# KiCad board pcb.kicad_pcb (continued)
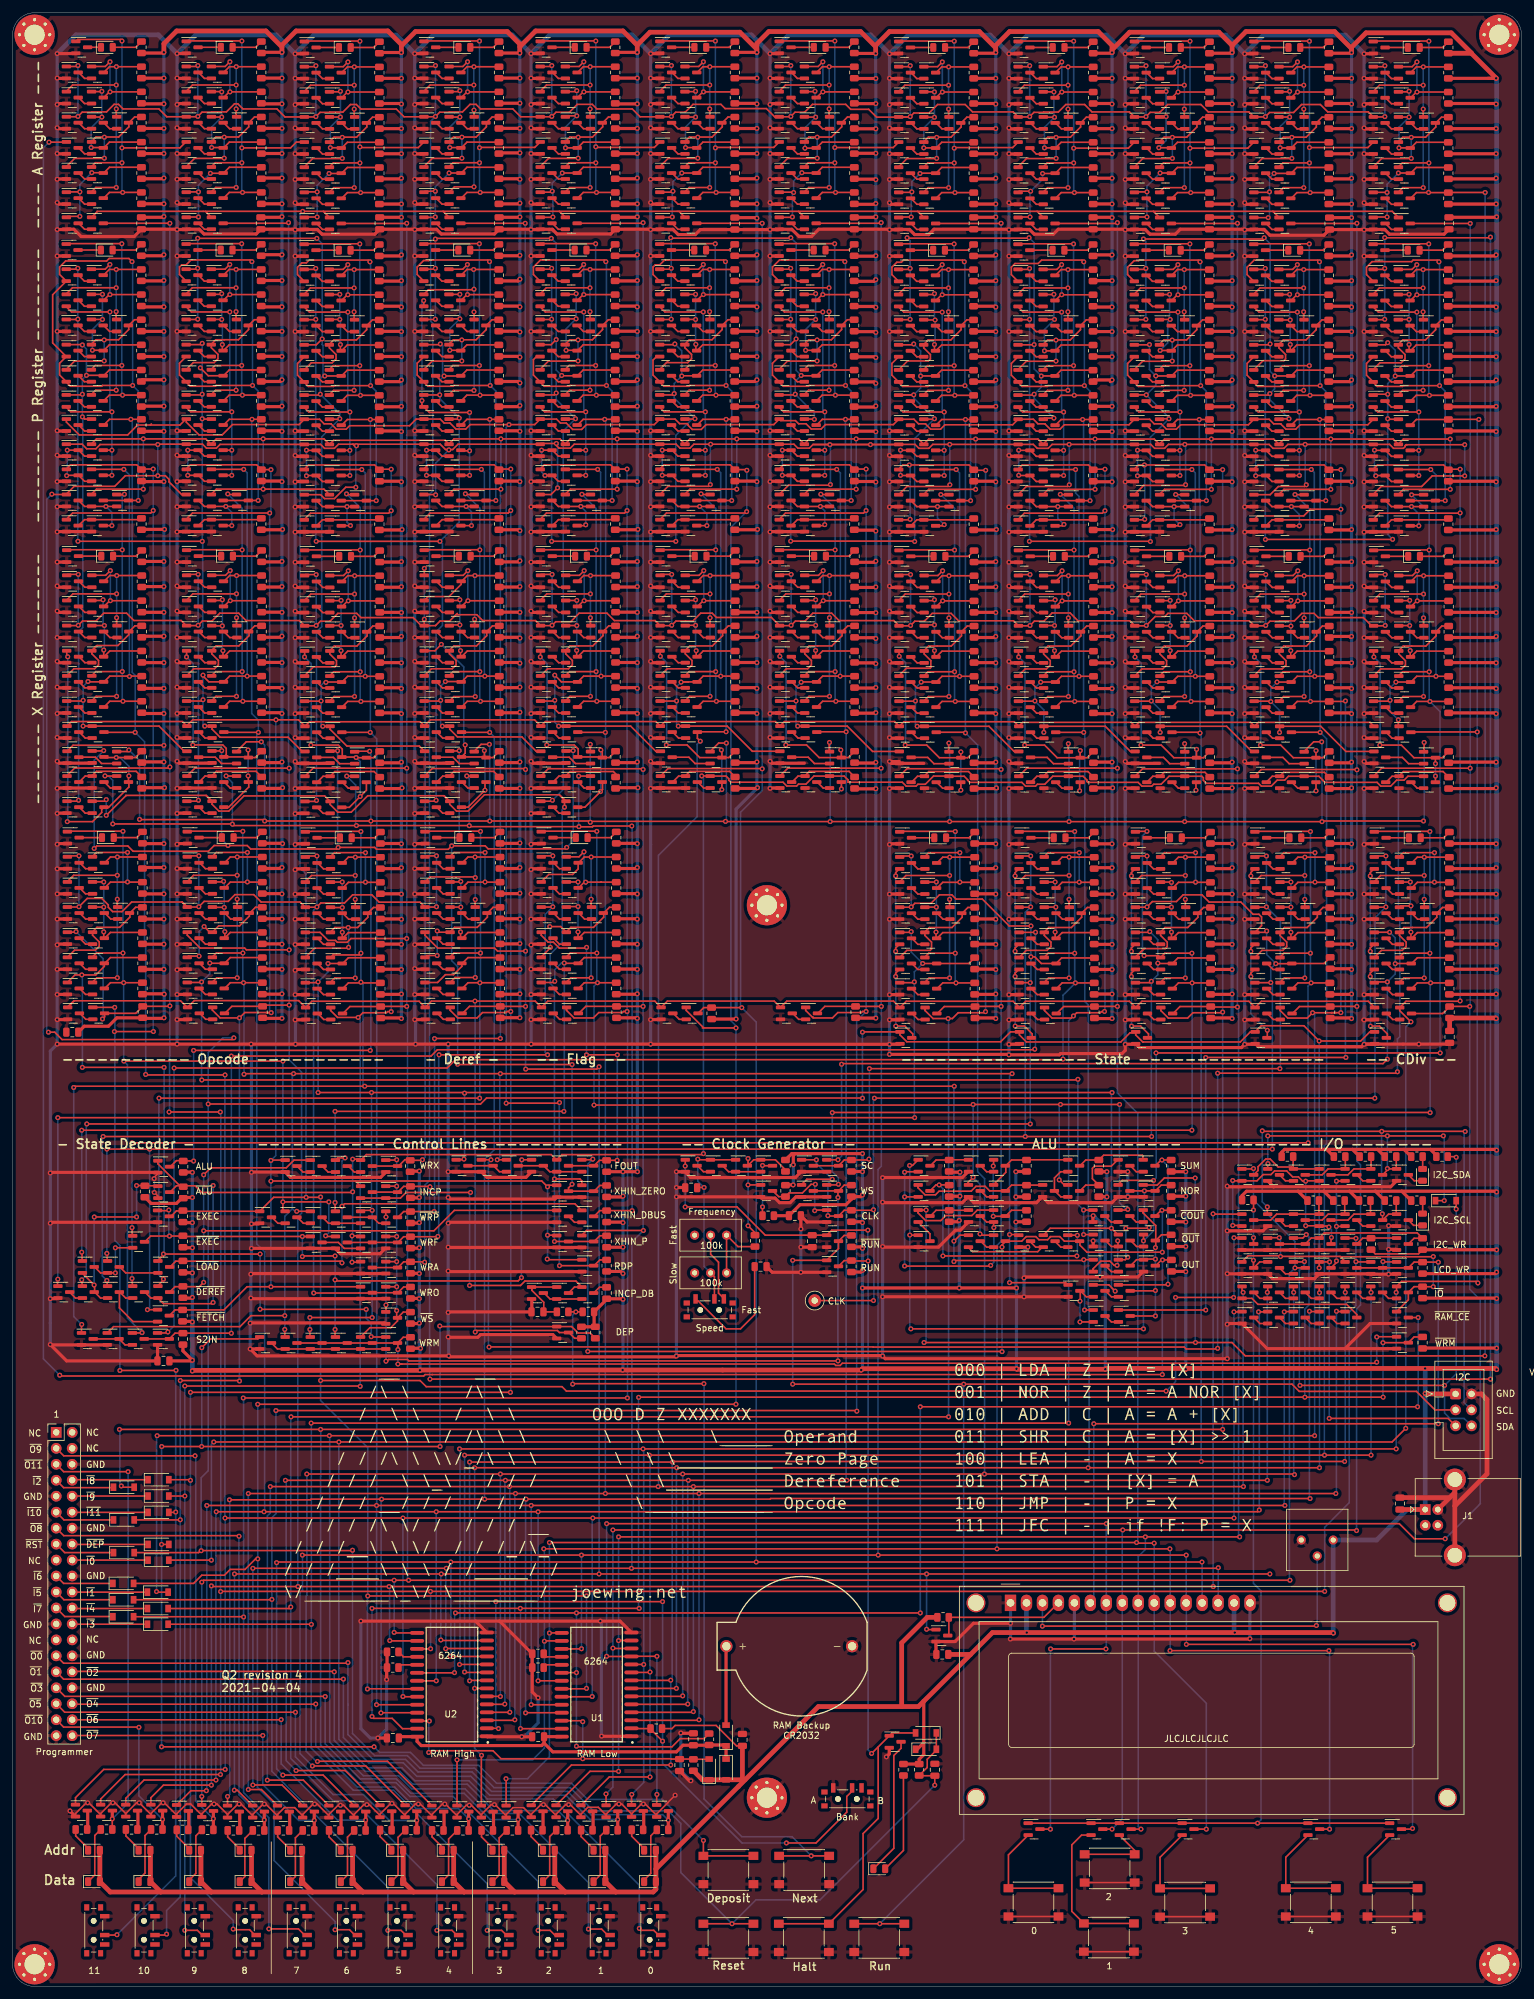
[diagram p0: board, top side]
## Nets (continued)
/Bit 10/AOUT: Q170.3 Q174.1 Q175.1 Q356.1 R69.2
/Bit 10/INCP_CLK: Q162.1 Q165.1 Q316.1 Q329.1 Q332.3 Q340.1 Q364.1 R143.2
/Bit 10/P Register/P DFF/CLR: Q147.3 Q148.3 Q161.2 Q162.2 Q167.2
/Bit 10/P Register/P DFF/Q: Q154.3 Q158.1 Q159.1 R62.2
/Bit 10/P Register/P DFF/SET: Q145.3 Q146.3 Q156.2 Q157.2
/Bit 10/X Register/X DFF/D: Q184.3 Q186.3 Q187.3 Q188.3 Q207.1 R76.2
/Bit 10/XOUT: Q148.1 Q194.3 Q198.1 Q199.1 R78.2
/Bit 10/~{P}: Q22.1 Q25.1 Q143.1 Q156.1 Q159.3 Q167.1 Q191.1 R65.2
/Bit 10/~{XIN}: Q6.1 Q45.1 Q56.1 Q59.3 Q192.1 R24.2
/Bit 10/~{XOUT}: Q146.1 Q185.1 Q196.1 Q199.3 Q365.1 R81.2
/Bit 11/A Register/A DFF/~{Q}: Q29.1 Q32.1 Q35.3 R15.2
/Bit 11/P Register/P DFF/CLR: Q7.3 Q8.3 Q21.2 Q22.2 Q27.2
/Bit 11/P Register/P DFF/Q: Q14.3 Q18.1 Q19.1 R5.2
/Bit 11/P Register/P DFF/SET: Q5.3 Q6.3 Q16.2 Q17.2
/Bit 11/X Register/X DFF/D: Q44.3 Q46.3 Q47.3 Q48.3 Q67.1 R19.2
/Bit 11/XOUT: Q8.1 Q54.3 Q58.1 Q59.1 R21.2
/Bit 11/~{P}: Q3.1 Q16.1 Q19.3 Q27.1 Q51.1 R8.2
/Decoder/~{STATE_DEREF}: Q82.3 Q1093.1 Q1094.1 R36.2
/Decoder/~{STATE_EXEC}: Q87.3 Q113.1 Q122.1 Q129.1 Q139.1 R37.2
/Decoder/~{STATE_LOAD}: Q83.3 Q97.1 Q121.1 R366.2
/I2C/I2C_RST: Q1097.3 Q1101.2 Q1109.2
/Logic/~{WS}: Q105.1 Q107.1 Q109.1 Q110.3 Q112.1 Q119.1 Q140.1 R50.2
/Memory/BANK: R297.2 SW2.2 U1.2 U2.2
/Memory/~{IO}: Q672.1 Q673.1 Q674.3 Q679.1 Q1111.1 R285.2
/Memory/~{RAM_CE}: Q679.3 R291.2 U1.20 U2.20
/Memory/~{WRM}: Q670.1 Q678.3 Q853.1 R290.2 U1.27 U2.27
A0: Q474.1 Q476.1 Q508.1 Q916.3 Q920.1 Q921.1 R407.2
ABUS0: Q674.1 Q882.1 Q889.3 Q931.3 R396.2 U1.10 U2.10
ABUS1: Q675.1 Q772.3 Q814.3 Q878.1 R332.2 U1.9 U2.9
ABUS2: Q594.3 Q636.3 Q676.1 Q874.1 R251.2 U1.8 U2.8
ABUS3: Q398.3 Q440.3 Q677.1 Q870.1 R170.2 U1.7 U2.7
ABUS4: Q225.3 Q267.3 Q680.1 Q866.1 R92.2 U1.6 U2.6
ABUS5: Q681.1 Q862.1 Q1048.3 Q1082.3 R423.2 U1.5 U2.5
ABUS6: Q682.1 Q884.1 Q984.3 Q1006.3 R432.2 U1.4 U2.4
ABUS7: Q683.1 Q690.3 Q732.3 Q880.1 R298.2 U1.3 U2.3
ABUS8: Q512.3 Q554.3 Q684.1 Q876.1 R217.2 U1.25 U2.25
ABUS9: Q316.3 Q358.3 Q685.1 Q872.1 R136.2 U1.24 U2.24
ABUS10: Q143.3 Q185.3 Q686.1 Q868.1 R58.2 U1.21 U2.21
ABUS11: Q3.3 Q45.3 Q687.1 Q864.1 R1.2 U1.23 U2.23
ALU_OUT: Q43.1 Q487.3 R213.2
CDIV: Q309.1 Q953.3 Q957.1 Q958.1 R425.2
CLK: Q301.1 Q306.3 Q308.1 Q961.1 Q964.1 R130.2 TP1.1
DBUS0: DS1.7 Q861.3 Q883.1 Q886.3 Q914.3 Q933.1 R397.2 U1.11
DBUS1: DS1.8 Q769.3 Q797.3 Q816.1 Q860.3 Q879.1 R333.2 U1.12
DBUS2: DS1.9 Q591.3 Q619.3 Q638.1 Q859.3 Q875.1 R252.2 U1.13
DBUS3: DS1.10 Q395.3 Q423.3 Q442.1 Q858.3 Q871.1 R171.2 U1.15
DBUS4: DS1.11 Q222.3 Q250.3 Q269.1 Q857.3 Q867.1 R93.2 U1.16
DBUS5: DS1.12 Q856.3 Q863.1 Q951.3 Q1031.3 Q1050.1 R424.2 U1.17
DBUS6: DS1.13 Q885.1 Q967.3 Q986.1 Q1004.3 R433.2 U2.11
DBUS7: DS1.14 Q103.1 Q688.3 Q715.3 Q740.1 Q881.1 R299.2 U2.12
DBUS8: Q510.3 Q537.3 Q562.1 Q590.1 Q849.1 Q877.1 R218.2 U2.13
DBUS9: Q314.3 Q341.3 Q366.1 Q394.1 Q855.1 Q873.1 Q1100.3 R137.2 U2.15
DBUS10: Q141.3 Q168.3 Q193.1 Q221.1 Q869.1 Q1104.1 R59.2 U2.16
DBUS11: Q1.3 Q28.3 Q53.1 Q81.1 Q850.1 Q851.1 Q865.1 R2.2 U2.17
DEP: Q2.1 Q142.1 Q223.1 Q315.1 Q396.1 Q511.1 Q592.1 Q689.1 Q770.1 Q848.3 Q887.1 Q952.1 Q968.1 R370.2
DEREF: Q82.1 Q577.3 Q581.1 Q582.1 R244.2
F: Q485.1 Q488.1 Q491.1 Q492.1 Q755.3 Q759.1 Q760.1 R325.2
I2C_SCL: J3.4 Q1105.1 Q1107.3 Q1110.1 R494.2
I2C_SDA: D93.2 J3.6 Q1100.1 R286.2
I2C_WR: Q673.3 Q852.3 Q853.3 Q1108.1 R485.2
INCP_CLK: Q108.3 Q109.3 Q908.1 Q911.1 R48.2
IO_RD: Q671.3 Q672.3 Q856.1 Q857.1 Q858.1 Q859.1 Q860.1 Q861.1 Q1102.1 R288.2
LCD_WR: DS1.6 Q670.3 Q851.3 Q1111.3 R287.2
NEXTF: Q123.3 Q124.3 Q768.1 R56.2
O0: Q95.1 Q381.3 Q385.1 Q386.1 Q494.1 Q502.1 Q504.1 R163.2
O1: Q96.1 Q128.1 Q130.1 Q137.1 Q208.3 Q212.1 Q213.1 Q505.1 Q507.1 R85.2
O2: Q68.3 Q72.1 Q73.1 Q93.1 Q114.1 Q131.1 R28.2
RDA_DBUS: Q28.1 Q122.3 Q135.1 Q168.1 Q250.1 Q341.1 Q423.1 Q537.1 Q619.1 Q671.1 Q715.1 Q797.1 Q914.1 Q1004.1 Q1031.1 R54.2 U1.22 U2.22
RDP_ABUS: Q4.1 Q101.3 Q144.1 Q226.1 Q317.1 Q399.1 Q513.1 Q595.1 Q691.1 Q773.1 Q890.1 Q1007.1 Q1083.1 R44.2
RDX_ABUS: Q50.1 Q84.3 Q99.1 Q101.1 Q102.1 Q104.1 Q108.1 Q127.1 Q190.1 Q271.1 Q363.1 Q444.1 Q559.1 Q640.1 Q737.1 Q818.1 Q935.1 Q988.1 Q1052.1 R35.2
S0: Q85.1 Q87.1 Q834.3 Q838.1 Q839.1 R359.2
S1: Q88.1 Q656.3 Q660.1 Q661.1 R278.2
S2: Q94.1 Q460.3 Q464.1 Q465.1 R197.2
S2IN: Q93.3 Q94.3 Q473.1 R40.2
SC: Q301.3 Q302.3 Q842.1 Q845.1 R126.2
WRA: Q38.1 Q41.1 Q111.3 Q112.3 Q178.1 Q181.1 Q260.1 Q263.1 Q351.1 Q354.1 Q433.1 Q436.1 Q547.1 Q550.1 Q629.1 Q632.1 Q725.1 Q728.1 Q807.1 Q810.1 Q924.1 Q927.1 Q977.1 Q980.1 Q1041.1 Q1044.1 R49.2
WRF: Q106.3 Q107.3 Q114.3 Q763.1 Q766.1 R47.2
WRM: Q136.3 Q137.3 Q138.3 Q139.3 Q140.3 Q678.1 R57.2
WRO: Q76.1 Q79.1 Q104.3 Q105.3 Q216.1 Q219.1 Q389.1 Q392.1 Q585.1 Q588.1 R45.2
WRX: Q62.1 Q65.1 Q118.3 Q119.3 Q202.1 Q205.1 Q281.1 Q284.1 Q375.1 Q378.1 Q454.1 Q457.1 Q571.1 Q574.1 Q650.1 Q653.1 Q749.1 Q752.1 Q828.1 Q831.1 Q945.1 Q948.1 Q998.1 Q1001.1 Q1062.1 Q1065.1 R53.2
WS: Q110.1 Q120.1 Q308.3 Q309.3 R131.2
X0: Q478.1 Q480.1 Q495.1 Q509.1 Q894.1 Q937.3 Q941.1 Q942.1 R416.2
X1: Q498.1 Q777.1 Q820.3 Q824.1 Q825.1 R352.2
XHIN_DBUS: Q44.1 Q97.3 Q184.1 Q357.1 Q553.1 Q731.1 R43.2
XHIN_P: Q46.1 Q100.1 Q102.3 Q103.3 Q186.1 Q359.1 Q555.1 Q733.1 R42.2
XHIN_ZERO: Q48.1 Q99.3 Q100.3 Q188.1 Q361.1 Q557.1 Q735.1 R41.2
XIN_SHIFT: Q47.1 Q98.3 Q187.1 Q268.1 Q360.1 Q441.1 Q556.1 Q637.1 Q734.1 Q815.1 Q932.1 Q985.1 Q1049.1 R46.2
XLIN_DBUS: Q90.3 Q98.1 Q106.1 Q111.1 Q118.1 Q124.1 Q266.1 Q439.1 Q635.1 Q813.1 Q930.1 Q983.1 Q1047.1 R38.2
~{ALU_COUT}: Q123.1 Q489.3 Q490.3 Q491.3 R212.2
~{CDIV}: Q302.1 Q955.1 Q958.3 Q966.1 R428.2
~{DEP_SW}: D78.2 Q132.1 Q848.1 R368.2 SW5.1
~{DOUT0}: J2.29 Q883.3 R393.2
~{DOUT1}: J2.31 Q879.3 R389.2
~{DOUT2}: J2.32 Q875.3 R385.2
~{DOUT3}: J2.33 Q871.3 R381.2
~{DOUT4}: J2.36 Q867.3 R377.2
~{DOUT5}: J2.35 Q863.3 R373.2
~{DOUT6}: J2.38 Q885.3 R395.2
~{DOUT7}: J2.40 Q881.3 R391.2
~{DOUT8}: J2.13 Q877.3 R387.2
~{DOUT9}: J2.3 Q873.3 R383.2
~{DOUT10}: J2.37 Q869.3 R379.2
~{DOUT11}: J2.5 Q865.3 R375.2
~{F}: Q126.1 Q757.1 Q760.3 R328.2
~{INCP_SW}: R51.2 R369.2 SW7.1
~{O0}: Q125.1 Q133.1 Q138.1 Q383.1 Q386.3 Q493.1 Q501.1 Q503.1 R166.2
~{O1}: Q210.1 Q213.3 Q500.1 Q506.1 R88.2
~{O2}: Q70.1 Q73.3 Q83.1 Q136.1 R31.2
~{RST}: C25.2 D41.1 D42.2 D77.2 J3.5 Q9.1 Q11.1 Q149.1 Q151.1 Q224.1 Q231.1 Q233.1 Q322.1 Q324.1 Q397.1 Q404.1 Q406.1 Q518.1 Q520.1 Q593.1 Q600.1 Q602.1 Q696.1 Q698.1 Q771.1 Q778.1 Q780.1 Q888.1 Q895.1 Q897.1 Q1012.1 Q1014.1 Q1088.1 Q1090.1 Q1097.1 R367.2 SW4.1
~{S0}: Q84.1 Q86.1 Q664.1 Q667.1 Q836.1 Q839.3 Q847.1 R362.2
~{S1}: Q89.1 Q468.1 Q471.1 Q658.1 Q661.3 Q669.1 R281.2
~{S2}: Q91.1 Q295.1 Q298.1 Q462.1 Q465.3 R200.2
~{S3}: Q92.1 Q289.1 Q292.3 Q300.1 R122.2
~{START_SW}: J3.3 Q311.3 Q312.1 R133.2 SW6.1
~{STOP_SW}: C24.2 D41.2 Q310.1 Q311.1 Q312.3 Q313.1 R134.2 SW3.1
~{SW0}: D79.2 Q886.1 Q896.1 Q899.1 R398.2 SW30.2
~{SW1}: D80.2 Q769.1 Q779.1 Q782.1 R334.2 SW28.2
~{SW2}: D73.2 Q591.1 Q601.1 Q604.1 R253.2 SW26.2
~{SW3}: D74.2 Q395.1 Q405.1 Q408.1 R172.2 SW24.2
~{SW4}: D75.2 Q222.1 Q232.1 Q235.1 R94.2 SW22.2
~{SW5}: D76.2 Q951.1 Q1089.1 Q1092.1 R482.2 SW20.2
~{SW6}: D82.2 Q967.1 Q1013.1 Q1016.1 R450.2 SW31.2
~{SW7}: D81.2 Q688.1 Q697.1 Q700.1 R300.2 SW29.2
~{SW8}: D72.2 Q510.1 Q519.1 Q522.1 R219.2 SW27.2
~{SW9}: D71.2 Q314.1 Q323.1 Q326.1 R138.2 SW25.2
~{SW10}: D70.2 Q141.1 Q150.1 Q153.1 R60.2 SW23.2
~{SW11}: D69.2 Q1.1 Q10.1 Q13.1 R3.2 SW21.2
~{WRP}: Q5.1 Q7.1 Q120.3 Q145.1 Q147.1 Q227.1 Q229.1 Q318.1 Q320.1 Q400.1 Q402.1 Q514.1 Q516.1 Q596.1 Q598.1 Q692.1 Q694.1 Q774.1 Q776.1 Q891.1 Q893.1 Q1008.1 Q1010.1 Q1084.1 Q1086.1 R55.2
~{X0}: Q134.1 Q892.1 Q931.1 Q939.1 Q942.3 R419.2
Net-(BT1-Pad1): BT1.1 D30.2
Net-(C8-Pad2): C8.2 Q115.1 Q117.1 R51.1
Net-(C12-Pad2): C12.2 SW1.1
Net-(C13-Pad2): C13.2 Q303.1 Q307.1 RV1.2 SW1.2
Net-(C18-Pad2): C18.2 C19.2 C20.1 D30.1 D31.1 R291.1 U1.28 U2.28
Net-(C21-Pad2): C21.2 D32.2 R296.2 U1.26 U2.26
Net-(D1-Pad1): D1.1 Q18.3
Net-(D1-Pad2): D1.2 R7.2
Net-(D2-Pad1): D2.1 Q34.3
Net-(D2-Pad2): D2.2 R14.2
Net-(D3-Pad1): D3.1 Q58.3
Net-(D3-Pad2): D3.2 R23.2
Net-(D4-Pad1): D4.1 Q72.3
Net-(D4-Pad2): D4.2 R30.2
Net-(D5-Pad1): D5.1 Q158.3
Net-(D5-Pad2): D5.2 R64.2
Net-(D6-Pad1): D6.1 Q174.3
Net-(D6-Pad2): D6.2 R71.2
Net-(D7-Pad1): D7.1 Q198.3
Net-(D7-Pad2): D7.2 R80.2
Net-(D8-Pad1): D8.1 Q212.3
Net-(D8-Pad2): D8.2 R87.2
Net-(D9-Pad1): D9.1 Q240.3
Net-(D9-Pad2): D9.2 R98.2
Net-(D10-Pad1): D10.1 Q256.3
Net-(D10-Pad2): D10.2 R105.2
Net-(D11-Pad1): D11.1 Q277.3
Net-(D11-Pad2): D11.2 R114.2
Net-(D12-Pad1): D12.1 Q291.3
Net-(D12-Pad2): D12.2 R121.2
Net-(D13-Pad1): D13.1 Q313.3
Net-(D13-Pad2): D13.2 R135.2
Net-(D14-Pad1): D14.1 Q331.3
Net-(D14-Pad2): D14.2 R142.2
Net-(D15-Pad1): D15.1 Q347.3
Net-(D15-Pad2): D15.2 R149.2
Net-(D16-Pad1): D16.1 Q371.3
Net-(D16-Pad2): D16.2 R158.2
Net-(D17-Pad1): D17.1 Q385.3
Net-(D17-Pad2): D17.2 R165.2
Net-(D18-Pad1): D18.1 Q413.3
Net-(D18-Pad2): D18.2 R176.2
Net-(D19-Pad1): D19.1 Q429.3
Net-(D19-Pad2): D19.2 R183.2
Net-(D20-Pad1): D20.1 Q450.3
Net-(D20-Pad2): D20.2 R192.2
Net-(D21-Pad1): D21.1 Q464.3
Net-(D21-Pad2): D21.2 R199.2
Net-(D22-Pad1): D22.1 Q527.3
Net-(D22-Pad2): D22.2 R223.2
Net-(D23-Pad1): D23.1 Q543.3
Net-(D23-Pad2): D23.2 R230.2
Net-(D24-Pad1): D24.1 Q567.3
Net-(D24-Pad2): D24.2 R239.2
Net-(D25-Pad1): D25.1 Q581.3
Net-(D25-Pad2): D25.2 R246.2
Net-(D26-Pad1): D26.1 Q609.3
Net-(D26-Pad2): D26.2 R257.2
Net-(D27-Pad1): D27.1 Q625.3
Net-(D27-Pad2): D27.2 R264.2
Net-(D28-Pad1): D28.1 Q646.3
Net-(D28-Pad2): D28.2 R273.2
Net-(D29-Pad1): D29.1 Q660.3
Net-(D29-Pad2): D29.2 R280.2
Net-(D33-Pad1): D33.1 Q705.3
Net-(D33-Pad2): D33.2 R304.2
Net-(D34-Pad1): D34.1 Q721.3
Net-(D34-Pad2): D34.2 R311.2
Net-(D35-Pad1): D35.1 Q745.3
Net-(D35-Pad2): D35.2 R320.2
Net-(D36-Pad1): D36.1 Q759.3
Net-(D36-Pad2): D36.2 R327.2
Net-(D37-Pad1): D37.1 Q787.3
Net-(D37-Pad2): D37.2 R338.2
Net-(D38-Pad1): D38.1 Q803.3
Net-(D38-Pad2): D38.2 R345.2
Net-(D39-Pad1): D39.1 Q824.3
Net-(D39-Pad2): D39.2 R354.2
Net-(D40-Pad1): D40.1 Q838.3
Net-(D40-Pad2): D40.2 R361.2
Net-(D43-Pad1): D43.1 R372.1
Net-(D44-Pad1): D44.1 R373.1
Net-(D45-Pad1): D45.1 R374.1
Net-(D46-Pad1): D46.1 R375.1
Net-(D47-Pad1): D47.1 R376.1
Net-(D48-Pad1): D48.1 R377.1
Net-(D49-Pad1): D49.1 R378.1
Net-(D50-Pad1): D50.1 R379.1
Net-(D51-Pad1): D51.1 R380.1
Net-(D52-Pad1): D52.1 R381.1
Net-(D53-Pad1): D53.1 R382.1
Net-(D54-Pad1): D54.1 R383.1
Net-(D55-Pad1): D55.1 R384.1
Net-(D56-Pad1): D56.1 R385.1
Net-(D57-Pad1): D57.1 R386.1
Net-(D58-Pad1): D58.1 R387.1
Net-(D59-Pad1): D59.1 R388.1
Net-(D60-Pad1): D60.1 R389.1
Net-(D61-Pad1): D61.1 R390.1
Net-(D62-Pad1): D62.1 R391.1
Net-(D63-Pad1): D63.1 R392.1
Net-(D64-Pad1): D64.1 R393.1
Net-(D65-Pad1): D65.1 R394.1
Net-(D66-Pad1): D66.1 R395.1
Net-(D67-Pad1): D67.1 Q904.3
Net-(D67-Pad2): D67.2 R402.2
Net-(D68-Pad1): D68.1 Q920.3
Net-(D68-Pad2): D68.2 R409.2
Net-(D69-Pad1): D69.1 J2.12
Net-(D70-Pad1): D70.1 J2.11
Net-(D71-Pad1): D71.1 J2.10
Net-(D72-Pad1): D72.1 J2.8
Net-(D73-Pad1): D73.1 J2.7
Net-(D74-Pad1): D74.1 J2.26
Net-(D75-Pad1): D75.1 J2.24
Net-(D76-Pad1): D76.1 J2.21
Net-(D77-Pad1): D77.1 J2.15
Net-(D78-Pad1): D78.1 J2.16
Net-(D79-Pad1): D79.1 J2.18
Net-(D80-Pad1): D80.1 J2.22
Net-(D81-Pad1): D81.1 J2.23
Net-(D82-Pad1): D82.1 J2.19
Net-(D83-Pad1): D83.1 Q941.3
Net-(D83-Pad2): D83.2 R418.2
Net-(D84-Pad1): D84.1 Q957.3
Net-(D84-Pad2): D84.2 R427.2
Net-(D85-Pad1): D85.1 Q973.3
Net-(D85-Pad2): D85.2 R436.2
Net-(D86-Pad1): D86.1 Q994.3
Net-(D86-Pad2): D86.2 R445.2
Net-(D87-Pad1): D87.1 Q1021.3
Net-(D87-Pad2): D87.2 R454.2
Net-(D88-Pad1): D88.1 Q1037.3
Net-(D88-Pad2): D88.2 R461.2
Net-(D89-Pad1): D89.1 Q1058.3
Net-(D89-Pad2): D89.2 R470.2
Net-(D90-Pad1): D90.1 Q1072.3
Net-(D90-Pad2): D90.2 R477.2
Net-(D91-Pad1): D91.1 Q1096.3
Net-(D91-Pad2): D91.2 R488.2
Net-(D92-Pad1): D92.1 Q1110.3
Net-(D92-Pad2): D92.2 R495.2
Net-(D93-Pad1): D93.1 Q1095.1 Q1096.1 Q1099.3 R490.2
Net-(DS1-Pad3): DS1.3 RV3.2
Net-(DS1-Pad4): DS1.4 Q849.3 R371.2
Net-(Q1-Pad2): Q1.2 Q2.3
Net-(Q3-Pad2): Q3.2 Q4.3
Net-(Q10-Pad3): Q5.2 Q6.2 Q9.3 Q10.3
Net-(Q11-Pad3): Q7.2 Q8.2 Q11.3 Q12.3
Net-(Q12-Pad1): Q12.1 Q13.3 R4.2
Net-(Q14-Pad1): Q14.1 Q17.1 Q20.3 Q23.1 R9.2
Net-(Q14-Pad2): Q14.2 Q16.3
Net-(Q15-Pad1): Q15.1 Q24.1 Q26.3 R11.2
Net-(Q15-Pad2): Q15.2 Q17.3
Net-(Q15-Pad3): Q15.3 Q20.1 R6.2
Net-(Q19-Pad2): Q19.2 Q21.3
Net-(Q20-Pad2): Q20.2 Q22.3
Net-(Q21-Pad1): Q21.1 Q23.3 Q26.1 R10.2
Net-(Q23-Pad2): Q23.2 Q24.3
Net-(Q24-Pad2): Q24.2 Q25.3
Net-(Q26-Pad2): Q26.2 Q27.3
Net-(Q28-Pad2): Q28.2 Q29.3
Net-(Q30-Pad1): Q30.1 Q33.1 Q36.3 Q39.1 R16.2
Net-(Q30-Pad2): Q30.2 Q32.3
Net-(Q31-Pad1): Q31.1 Q40.1 Q42.3 R18.2
Net-(Q31-Pad2): Q31.2 Q33.3
Net-(Q31-Pad3): Q31.3 Q36.1 R13.2
Net-(Q35-Pad2): Q35.2 Q37.3
Net-(Q36-Pad2): Q36.2 Q38.3
Net-(Q37-Pad1): Q37.1 Q39.3 Q42.1 R17.2
Net-(Q39-Pad2): Q39.2 Q40.3
Net-(Q40-Pad2): Q40.2 Q41.3
Net-(Q42-Pad2): Q42.2 Q43.3
Net-(Q44-Pad2): Q44.2 Q49.3
Net-(Q45-Pad2): Q45.2 Q50.3
Net-(Q46-Pad2): Q46.2 Q51.3
Net-(Q47-Pad2): Q47.2 Q52.3
Net-(Q49-Pad1): Q49.1 Q53.3 R20.2
Net-(Q54-Pad1): Q54.1 Q57.1 Q60.3 Q63.1 R25.2
Net-(Q54-Pad2): Q54.2 Q56.3
Net-(Q55-Pad1): Q55.1 Q64.1 Q66.3 R27.2
Net-(Q55-Pad2): Q55.2 Q57.3
Net-(Q55-Pad3): Q55.3 Q60.1 R22.2
Net-(Q59-Pad2): Q59.2 Q61.3
Net-(Q60-Pad2): Q60.2 Q62.3
Net-(Q61-Pad1): Q61.1 Q63.3 Q66.1 R26.2
Net-(Q63-Pad2): Q63.2 Q64.3
Net-(Q64-Pad2): Q64.2 Q65.3
Net-(Q66-Pad2): Q66.2 Q67.3
Net-(Q68-Pad1): Q68.1 Q71.1 Q74.3 Q77.1 R32.2
Net-(Q68-Pad2): Q68.2 Q70.3
Net-(Q69-Pad1): Q69.1 Q78.1 Q80.3 R34.2
Net-(Q69-Pad2): Q69.2 Q71.3
Net-(Q69-Pad3): Q69.3 Q74.1 R29.2
Net-(Q73-Pad2): Q73.2 Q75.3
Net-(Q74-Pad2): Q74.2 Q76.3
Net-(Q75-Pad1): Q75.1 Q77.3 Q80.1 R33.2
Net-(Q77-Pad2): Q77.2 Q78.3
Net-(Q78-Pad2): Q78.2 Q79.3
Net-(Q80-Pad2): Q80.2 Q81.3
Net-(Q82-Pad2): Q82.2 Q85.3
Net-(Q83-Pad2): Q83.2 Q86.3
Net-(Q84-Pad2): Q84.2 Q85.2 Q89.3
Net-(Q86-Pad2): Q86.2 Q87.2 Q88.3
Net-(Q88-Pad2): Q88.2 Q89.2 Q90.1 Q91.3 R39.2
Net-(Q91-Pad2): Q91.2 Q92.3
Net-(Q93-Pad2): Q93.2 Q95.3 Q96.3
Net-(Q106-Pad2): Q106.2 Q113.3
Net-(Q108-Pad2): Q108.2 Q109.2 Q115.3 Q116.1
Net-(Q115-Pad2): Q115.2 Q116.2 Q117.3
Net-(Q116-Pad3): Q116.3 R52.1
Net-(Q118-Pad2): Q118.2 Q121.3
Net-(Q120-Pad2): Q120.2 Q125.3 Q126.3
Net-(Q123-Pad2): Q123.2 Q124.2 Q128.3 Q129.3
Net-(Q125-Pad2): Q125.2 Q126.2 Q130.3
Net-(Q128-Pad2): Q128.2 Q133.3 Q134.3
Net-(Q130-Pad2): Q130.2 Q131.3
Net-(Q131-Pad2): Q131.2 Q135.3
Net-(Q132-Pad3): Q132.3 Q136.2 Q137.2 Q138.2 Q139.2 Q140.2
Net-(Q141-Pad2): Q141.2 Q142.3
Net-(Q143-Pad2): Q143.2 Q144.3
Net-(Q145-Pad2): Q145.2 Q146.2 Q149.3 Q150.3
Net-(Q147-Pad2): Q147.2 Q148.2 Q151.3 Q152.3
Net-(Q152-Pad1): Q152.1 Q153.3 R61.2
Net-(Q154-Pad1): Q154.1 Q157.1 Q160.3 Q163.1 R66.2
Net-(Q154-Pad2): Q154.2 Q156.3
Net-(Q155-Pad1): Q155.1 Q164.1 Q166.3 R68.2
Net-(Q155-Pad2): Q155.2 Q157.3
Net-(Q155-Pad3): Q155.3 Q160.1 R63.2
Net-(Q159-Pad2): Q159.2 Q161.3
Net-(Q160-Pad2): Q160.2 Q162.3
Net-(Q161-Pad1): Q161.1 Q163.3 Q166.1 R67.2
Net-(Q163-Pad2): Q163.2 Q164.3
Net-(Q164-Pad2): Q164.2 Q165.3
Net-(Q166-Pad2): Q166.2 Q167.3
Net-(Q168-Pad2): Q168.2 Q169.3
Net-(Q170-Pad1): Q170.1 Q173.1 Q176.3 Q179.1 R73.2
Net-(Q170-Pad2): Q170.2 Q172.3
Net-(Q171-Pad1): Q171.1 Q180.1 Q182.3 R75.2
Net-(Q171-Pad2): Q171.2 Q173.3
Net-(Q171-Pad3): Q171.3 Q176.1 R70.2
Net-(Q175-Pad2): Q175.2 Q177.3
Net-(Q176-Pad2): Q176.2 Q178.3
Net-(Q177-Pad1): Q177.1 Q179.3 Q182.1 R74.2
Net-(Q179-Pad2): Q179.2 Q180.3
Net-(Q180-Pad2): Q180.2 Q181.3
Net-(Q182-Pad2): Q182.2 Q183.3
Net-(Q184-Pad2): Q184.2 Q189.3
Net-(Q185-Pad2): Q185.2 Q190.3
Net-(Q186-Pad2): Q186.2 Q191.3
Net-(Q187-Pad2): Q187.2 Q192.3
Net-(Q189-Pad1): Q189.1 Q193.3 R77.2
Net-(Q194-Pad1): Q194.1 Q197.1 Q200.3 Q203.1 R82.2
Net-(Q194-Pad2): Q194.2 Q196.3
Net-(Q195-Pad1): Q195.1 Q204.1 Q206.3 R84.2
Net-(Q195-Pad2): Q195.2 Q197.3
Net-(Q195-Pad3): Q195.3 Q200.1 R79.2
Net-(Q199-Pad2): Q199.2 Q201.3
Net-(Q200-Pad2): Q200.2 Q202.3
Net-(Q201-Pad1): Q201.1 Q203.3 Q206.1 R83.2
Net-(Q203-Pad2): Q203.2 Q204.3
Net-(Q204-Pad2): Q204.2 Q205.3
Net-(Q206-Pad2): Q206.2 Q207.3
Net-(Q208-Pad1): Q208.1 Q211.1 Q214.3 Q217.1 R89.2
Net-(Q208-Pad2): Q208.2 Q210.3
Net-(Q209-Pad1): Q209.1 Q218.1 Q220.3 R91.2
Net-(Q209-Pad2): Q209.2 Q211.3
Net-(Q209-Pad3): Q209.3 Q214.1 R86.2
Net-(Q213-Pad2): Q213.2 Q215.3
Net-(Q214-Pad2): Q214.2 Q216.3
Net-(Q215-Pad1): Q215.1 Q217.3 Q220.1 R90.2
Net-(Q217-Pad2): Q217.2 Q218.3
Net-(Q218-Pad2): Q218.2 Q219.3
Net-(Q220-Pad2): Q220.2 Q221.3
Net-(Q222-Pad2): Q222.2 Q223.3
Net-(Q225-Pad2): Q225.2 Q226.3
Net-(Q227-Pad2): Q227.2 Q228.2 Q231.3 Q232.3
Net-(Q229-Pad2): Q229.2 Q230.2 Q233.3 Q234.3
Net-(Q234-Pad1): Q234.1 Q235.3 R95.2
Net-(Q236-Pad1): Q236.1 Q239.1 Q242.3 Q245.1 R100.2
Net-(Q236-Pad2): Q236.2 Q238.3
Net-(Q237-Pad1): Q237.1 Q246.1 Q248.3 R102.2
Net-(Q237-Pad2): Q237.2 Q239.3
Net-(Q237-Pad3): Q237.3 Q242.1 R97.2
Net-(Q241-Pad2): Q241.2 Q243.3
Net-(Q242-Pad2): Q242.2 Q244.3
Net-(Q243-Pad1): Q243.1 Q245.3 Q248.1 R101.2
Net-(Q245-Pad2): Q245.2 Q246.3
Net-(Q246-Pad2): Q246.2 Q247.3
Net-(Q248-Pad2): Q248.2 Q249.3
Net-(Q250-Pad2): Q250.2 Q251.3
Net-(Q252-Pad1): Q252.1 Q255.1 Q258.3 Q261.1 R107.2
Net-(Q252-Pad2): Q252.2 Q254.3
Net-(Q253-Pad1): Q253.1 Q262.1 Q264.3 R109.2
Net-(Q253-Pad2): Q253.2 Q255.3
Net-(Q253-Pad3): Q253.3 Q258.1 R104.2
Net-(Q257-Pad2): Q257.2 Q259.3
Net-(Q258-Pad2): Q258.2 Q260.3
Net-(Q259-Pad1): Q259.1 Q261.3 Q264.1 R108.2
Net-(Q261-Pad2): Q261.2 Q262.3
Net-(Q262-Pad2): Q262.2 Q263.3
Net-(Q264-Pad2): Q264.2 Q265.3
Net-(Q266-Pad2): Q266.2 Q270.3
Net-(Q267-Pad2): Q267.2 Q271.3
Net-(Q268-Pad2): Q268.2 Q272.3
Net-(Q269-Pad3): Q269.3 Q270.1 R111.2
Net-(Q273-Pad1): Q273.1 Q276.1 Q279.3 Q282.1 R116.2
Net-(Q273-Pad2): Q273.2 Q275.3
Net-(Q274-Pad1): Q274.1 Q283.1 Q285.3 R118.2
Net-(Q274-Pad2): Q274.2 Q276.3
Net-(Q274-Pad3): Q274.3 Q279.1 R113.2
Net-(Q278-Pad2): Q278.2 Q280.3
Net-(Q279-Pad2): Q279.2 Q281.3
Net-(Q280-Pad1): Q280.1 Q282.3 Q285.1 R117.2
Net-(Q282-Pad2): Q282.2 Q283.3
Net-(Q283-Pad2): Q283.2 Q284.3
Net-(Q285-Pad2): Q285.2 Q286.3
Net-(Q287-Pad1): Q287.1 Q290.1 Q293.3 Q296.1 R123.2
Net-(Q287-Pad2): Q287.2 Q289.3
Net-(Q288-Pad1): Q288.1 Q297.1 Q299.3 R125.2
Net-(Q288-Pad2): Q288.2 Q290.3
Net-(Q288-Pad3): Q288.3 Q293.1 R120.2
Net-(Q292-Pad2): Q292.2 Q294.3
Net-(Q293-Pad2): Q293.2 Q295.3
Net-(Q294-Pad1): Q294.1 Q296.3 Q299.1 R124.2
Net-(Q296-Pad2): Q296.2 Q297.3
Net-(Q297-Pad2): Q297.2 Q298.3
Net-(Q299-Pad2): Q299.2 Q300.3
Net-(Q303-Pad2): Q303.2 Q304.2 Q307.3
Net-(Q303-Pad3): Q303.3 Q304.1 Q305.1 R127.2 R128.2
Net-(Q304-Pad3): Q304.3 R132.1
Net-(Q305-Pad3): Q305.3 Q306.1 R129.2
Net-(Q307-Pad2): Q307.2 Q310.3
Net-(Q314-Pad2): Q314.2 Q315.3
Net-(Q316-Pad2): Q316.2 Q317.3
Net-(Q318-Pad2): Q318.2 Q319.2 Q322.3 Q323.3
Net-(Q320-Pad2): Q320.2 Q321.2 Q324.3 Q325.3
Net-(Q325-Pad1): Q325.1 Q326.3 R139.2
Net-(Q327-Pad1): Q327.1 Q330.1 Q333.3 Q336.1 R144.2
Net-(Q327-Pad2): Q327.2 Q329.3
Net-(Q328-Pad1): Q328.1 Q337.1 Q339.3 R146.2
Net-(Q328-Pad2): Q328.2 Q330.3
Net-(Q328-Pad3): Q328.3 Q333.1 R141.2
Net-(Q332-Pad2): Q332.2 Q334.3
Net-(Q333-Pad2): Q333.2 Q335.3
Net-(Q334-Pad1): Q334.1 Q336.3 Q339.1 R145.2
Net-(Q336-Pad2): Q336.2 Q337.3
Net-(Q337-Pad2): Q337.2 Q338.3
Net-(Q339-Pad2): Q339.2 Q340.3
Net-(Q341-Pad2): Q341.2 Q342.3
Net-(Q343-Pad1): Q343.1 Q346.1 Q349.3 Q352.1 R151.2
Net-(Q343-Pad2): Q343.2 Q345.3
Net-(Q344-Pad1): Q344.1 Q353.1 Q355.3 R153.2
Net-(Q344-Pad2): Q344.2 Q346.3
Net-(Q344-Pad3): Q344.3 Q349.1 R148.2
Net-(Q348-Pad2): Q348.2 Q350.3
Net-(Q349-Pad2): Q349.2 Q351.3
Net-(Q350-Pad1): Q350.1 Q352.3 Q355.1 R152.2
Net-(Q352-Pad2): Q352.2 Q353.3
Net-(Q353-Pad2): Q353.2 Q354.3
Net-(Q355-Pad2): Q355.2 Q356.3
Net-(Q357-Pad2): Q357.2 Q362.3
Net-(Q358-Pad2): Q358.2 Q363.3
Net-(Q359-Pad2): Q359.2 Q364.3
Net-(Q360-Pad2): Q360.2 Q365.3
Net-(Q362-Pad1): Q362.1 Q366.3 R155.2
Net-(Q367-Pad1): Q367.1 Q370.1 Q373.3 Q376.1 R160.2
Net-(Q367-Pad2): Q367.2 Q369.3
Net-(Q368-Pad1): Q368.1 Q377.1 Q379.3 R162.2
Net-(Q368-Pad2): Q368.2 Q370.3
Net-(Q368-Pad3): Q368.3 Q373.1 R157.2
Net-(Q372-Pad2): Q372.2 Q374.3
Net-(Q373-Pad2): Q373.2 Q375.3
Net-(Q374-Pad1): Q374.1 Q376.3 Q379.1 R161.2
Net-(Q376-Pad2): Q376.2 Q377.3
Net-(Q377-Pad2): Q377.2 Q378.3
Net-(Q379-Pad2): Q379.2 Q380.3
Net-(Q381-Pad1): Q381.1 Q384.1 Q387.3 Q390.1 R167.2
Net-(Q381-Pad2): Q381.2 Q383.3
Net-(Q382-Pad1): Q382.1 Q391.1 Q393.3 R169.2
Net-(Q382-Pad2): Q382.2 Q384.3
Net-(Q382-Pad3): Q382.3 Q387.1 R164.2
Net-(Q386-Pad2): Q386.2 Q388.3
Net-(Q387-Pad2): Q387.2 Q389.3
Net-(Q388-Pad1): Q388.1 Q390.3 Q393.1 R168.2
Net-(Q390-Pad2): Q390.2 Q391.3
Net-(Q391-Pad2): Q391.2 Q392.3
Net-(Q393-Pad2): Q393.2 Q394.3
Net-(Q395-Pad2): Q395.2 Q396.3
Net-(Q398-Pad2): Q398.2 Q399.3
Net-(Q400-Pad2): Q400.2 Q401.2 Q404.3 Q405.3
Net-(Q402-Pad2): Q402.2 Q403.2 Q406.3 Q407.3
Net-(Q407-Pad1): Q407.1 Q408.3 R173.2
Net-(Q409-Pad1): Q409.1 Q412.1 Q415.3 Q418.1 R178.2
Net-(Q409-Pad2): Q409.2 Q411.3
Net-(Q410-Pad1): Q410.1 Q419.1 Q421.3 R180.2
Net-(Q410-Pad2): Q410.2 Q412.3
Net-(Q410-Pad3): Q410.3 Q415.1 R175.2
Net-(Q414-Pad2): Q414.2 Q416.3
Net-(Q415-Pad2): Q415.2 Q417.3
Net-(Q416-Pad1): Q416.1 Q418.3 Q421.1 R179.2
Net-(Q418-Pad2): Q418.2 Q419.3
Net-(Q419-Pad2): Q419.2 Q420.3
Net-(Q421-Pad2): Q421.2 Q422.3
Net-(Q423-Pad2): Q423.2 Q424.3
Net-(Q425-Pad1): Q425.1 Q428.1 Q431.3 Q434.1 R185.2
Net-(Q425-Pad2): Q425.2 Q427.3
Net-(Q426-Pad1): Q426.1 Q435.1 Q437.3 R187.2
Net-(Q426-Pad2): Q426.2 Q428.3
Net-(Q426-Pad3): Q426.3 Q431.1 R182.2
Net-(Q430-Pad2): Q430.2 Q432.3
Net-(Q431-Pad2): Q431.2 Q433.3
Net-(Q432-Pad1): Q432.1 Q434.3 Q437.1 R186.2
Net-(Q434-Pad2): Q434.2 Q435.3
Net-(Q435-Pad2): Q435.2 Q436.3
Net-(Q437-Pad2): Q437.2 Q438.3
Net-(Q439-Pad2): Q439.2 Q443.3
Net-(Q440-Pad2): Q440.2 Q444.3
Net-(Q441-Pad2): Q441.2 Q445.3
Net-(Q442-Pad3): Q442.3 Q443.1 R189.2
Net-(Q446-Pad1): Q446.1 Q449.1 Q452.3 Q455.1 R194.2
Net-(Q446-Pad2): Q446.2 Q448.3
Net-(Q447-Pad1): Q447.1 Q456.1 Q458.3 R196.2
Net-(Q447-Pad2): Q447.2 Q449.3
Net-(Q447-Pad3): Q447.3 Q452.1 R191.2
Net-(Q451-Pad2): Q451.2 Q453.3
Net-(Q452-Pad2): Q452.2 Q454.3
Net-(Q453-Pad1): Q453.1 Q455.3 Q458.1 R195.2
Net-(Q455-Pad2): Q455.2 Q456.3
Net-(Q456-Pad2): Q456.2 Q457.3
Net-(Q458-Pad2): Q458.2 Q459.3
Net-(Q460-Pad1): Q460.1 Q463.1 Q466.3 Q469.1 R201.2
Net-(Q460-Pad2): Q460.2 Q462.3
Net-(Q461-Pad1): Q461.1 Q470.1 Q472.3 R203.2
Net-(Q461-Pad2): Q461.2 Q463.3
Net-(Q461-Pad3): Q461.3 Q466.1 R198.2
Net-(Q465-Pad2): Q465.2 Q467.3
Net-(Q466-Pad2): Q466.2 Q468.3
Net-(Q467-Pad1): Q467.1 Q469.3 Q472.1 R202.2
Net-(Q469-Pad2): Q469.2 Q470.3
Net-(Q470-Pad2): Q470.2 Q471.3
Net-(Q472-Pad2): Q472.2 Q473.3
Net-(Q474-Pad2): Q474.2 Q475.3 Q480.2 Q482.2
Net-(Q474-Pad3): Q474.3 Q477.1 R204.2
Net-(Q475-Pad1): Q475.1 Q476.3 R205.2
Net-(Q476-Pad2): Q476.2 Q478.3
Net-(Q477-Pad2): Q477.2 Q479.3
Net-(Q477-Pad3): Q477.3 Q481.1 Q483.1 R206.2
Net-(Q479-Pad1): Q479.1 Q480.3 R207.2
Net-(Q481-Pad2): Q481.2 Q488.2 Q499.3
Net-(Q481-Pad3): Q481.3 Q484.1 R208.2
Net-(Q482-Pad1): Q482.1 Q483.3 Q499.1 R210.2
Net-(Q483-Pad2): Q483.2 Q485.3
Net-(Q484-Pad2): Q484.2 Q486.3
Net-(Q486-Pad1): Q486.1 Q488.3 R214.2
Net-(Q489-Pad2): Q489.2 Q492.3
Net-(Q490-Pad2): Q490.2 Q493.3
Net-(Q491-Pad2): Q491.2 Q494.3
Net-(Q492-Pad2): Q492.2 Q500.3
Net-(Q493-Pad2): Q493.2 Q494.2 Q505.3
Net-(Q495-Pad2): Q495.2 Q501.3
Net-(Q496-Pad2): Q496.2 Q502.3
Net-(Q497-Pad2): Q497.2 Q503.3
Net-(Q498-Pad2): Q498.2 Q504.3
Net-(Q501-Pad2): Q501.2 Q502.2 Q506.3